# KiCad board panel.kicad_pcb
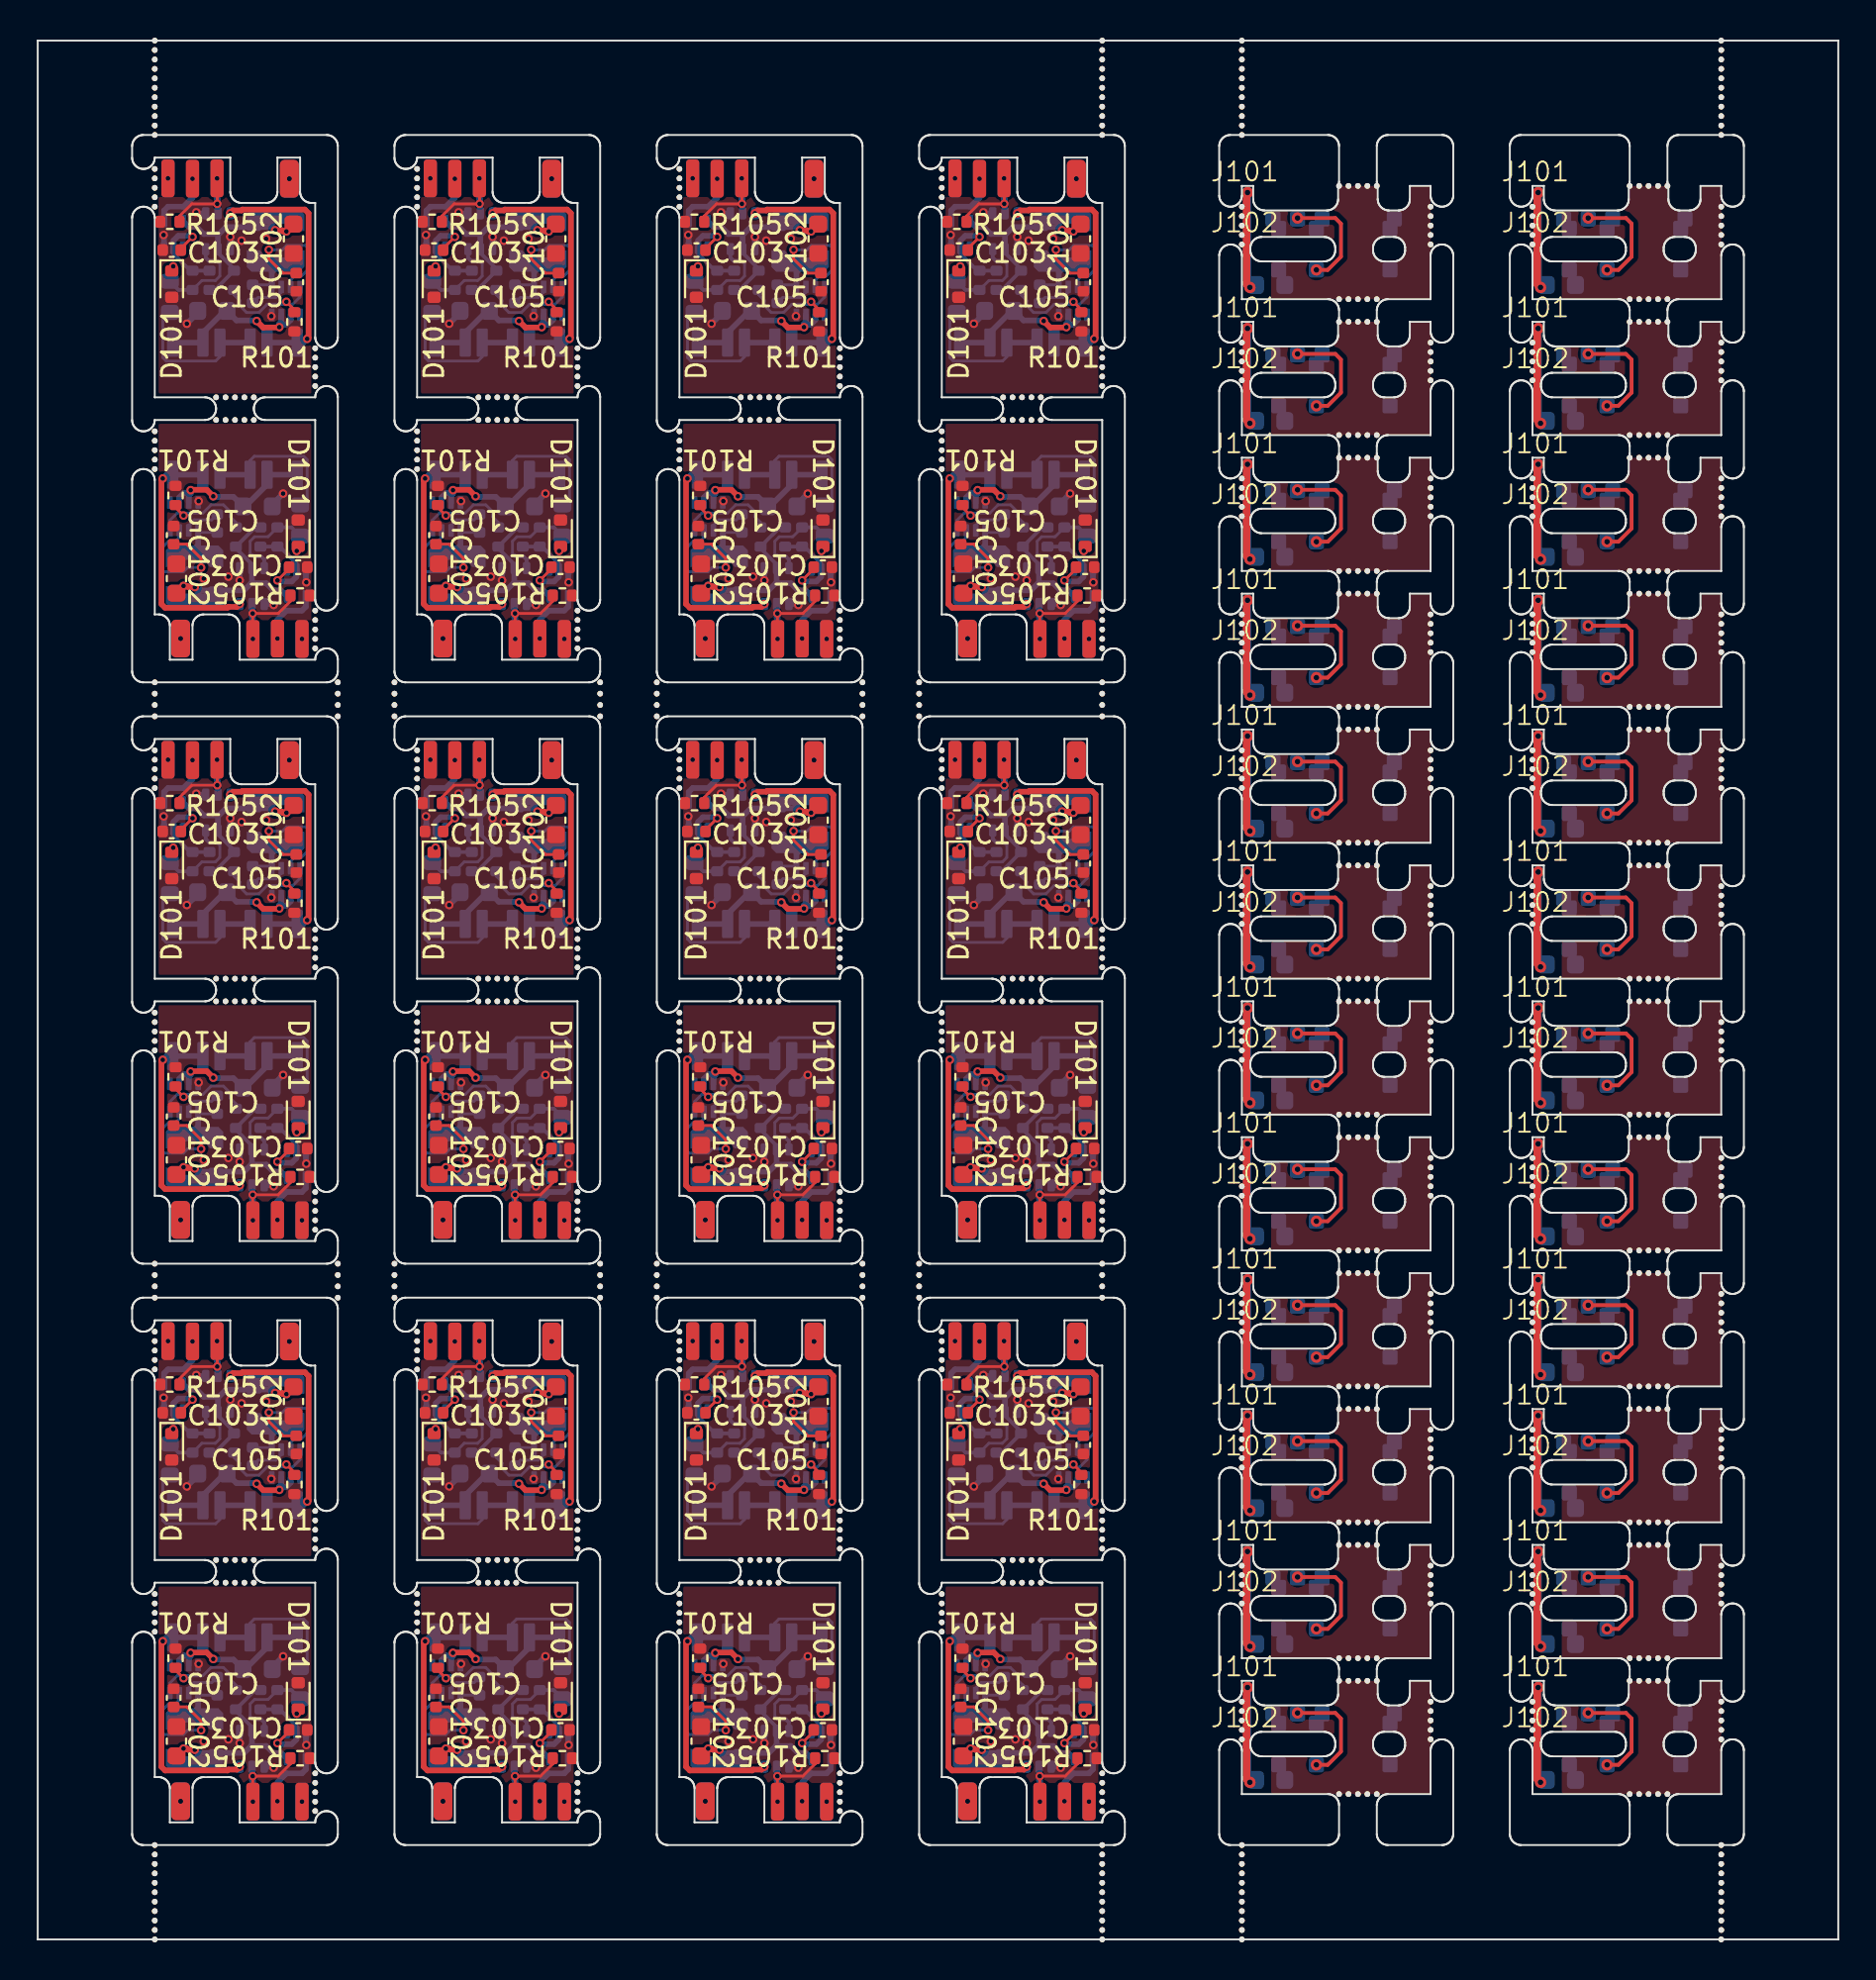
[diagram p0: board, top side]
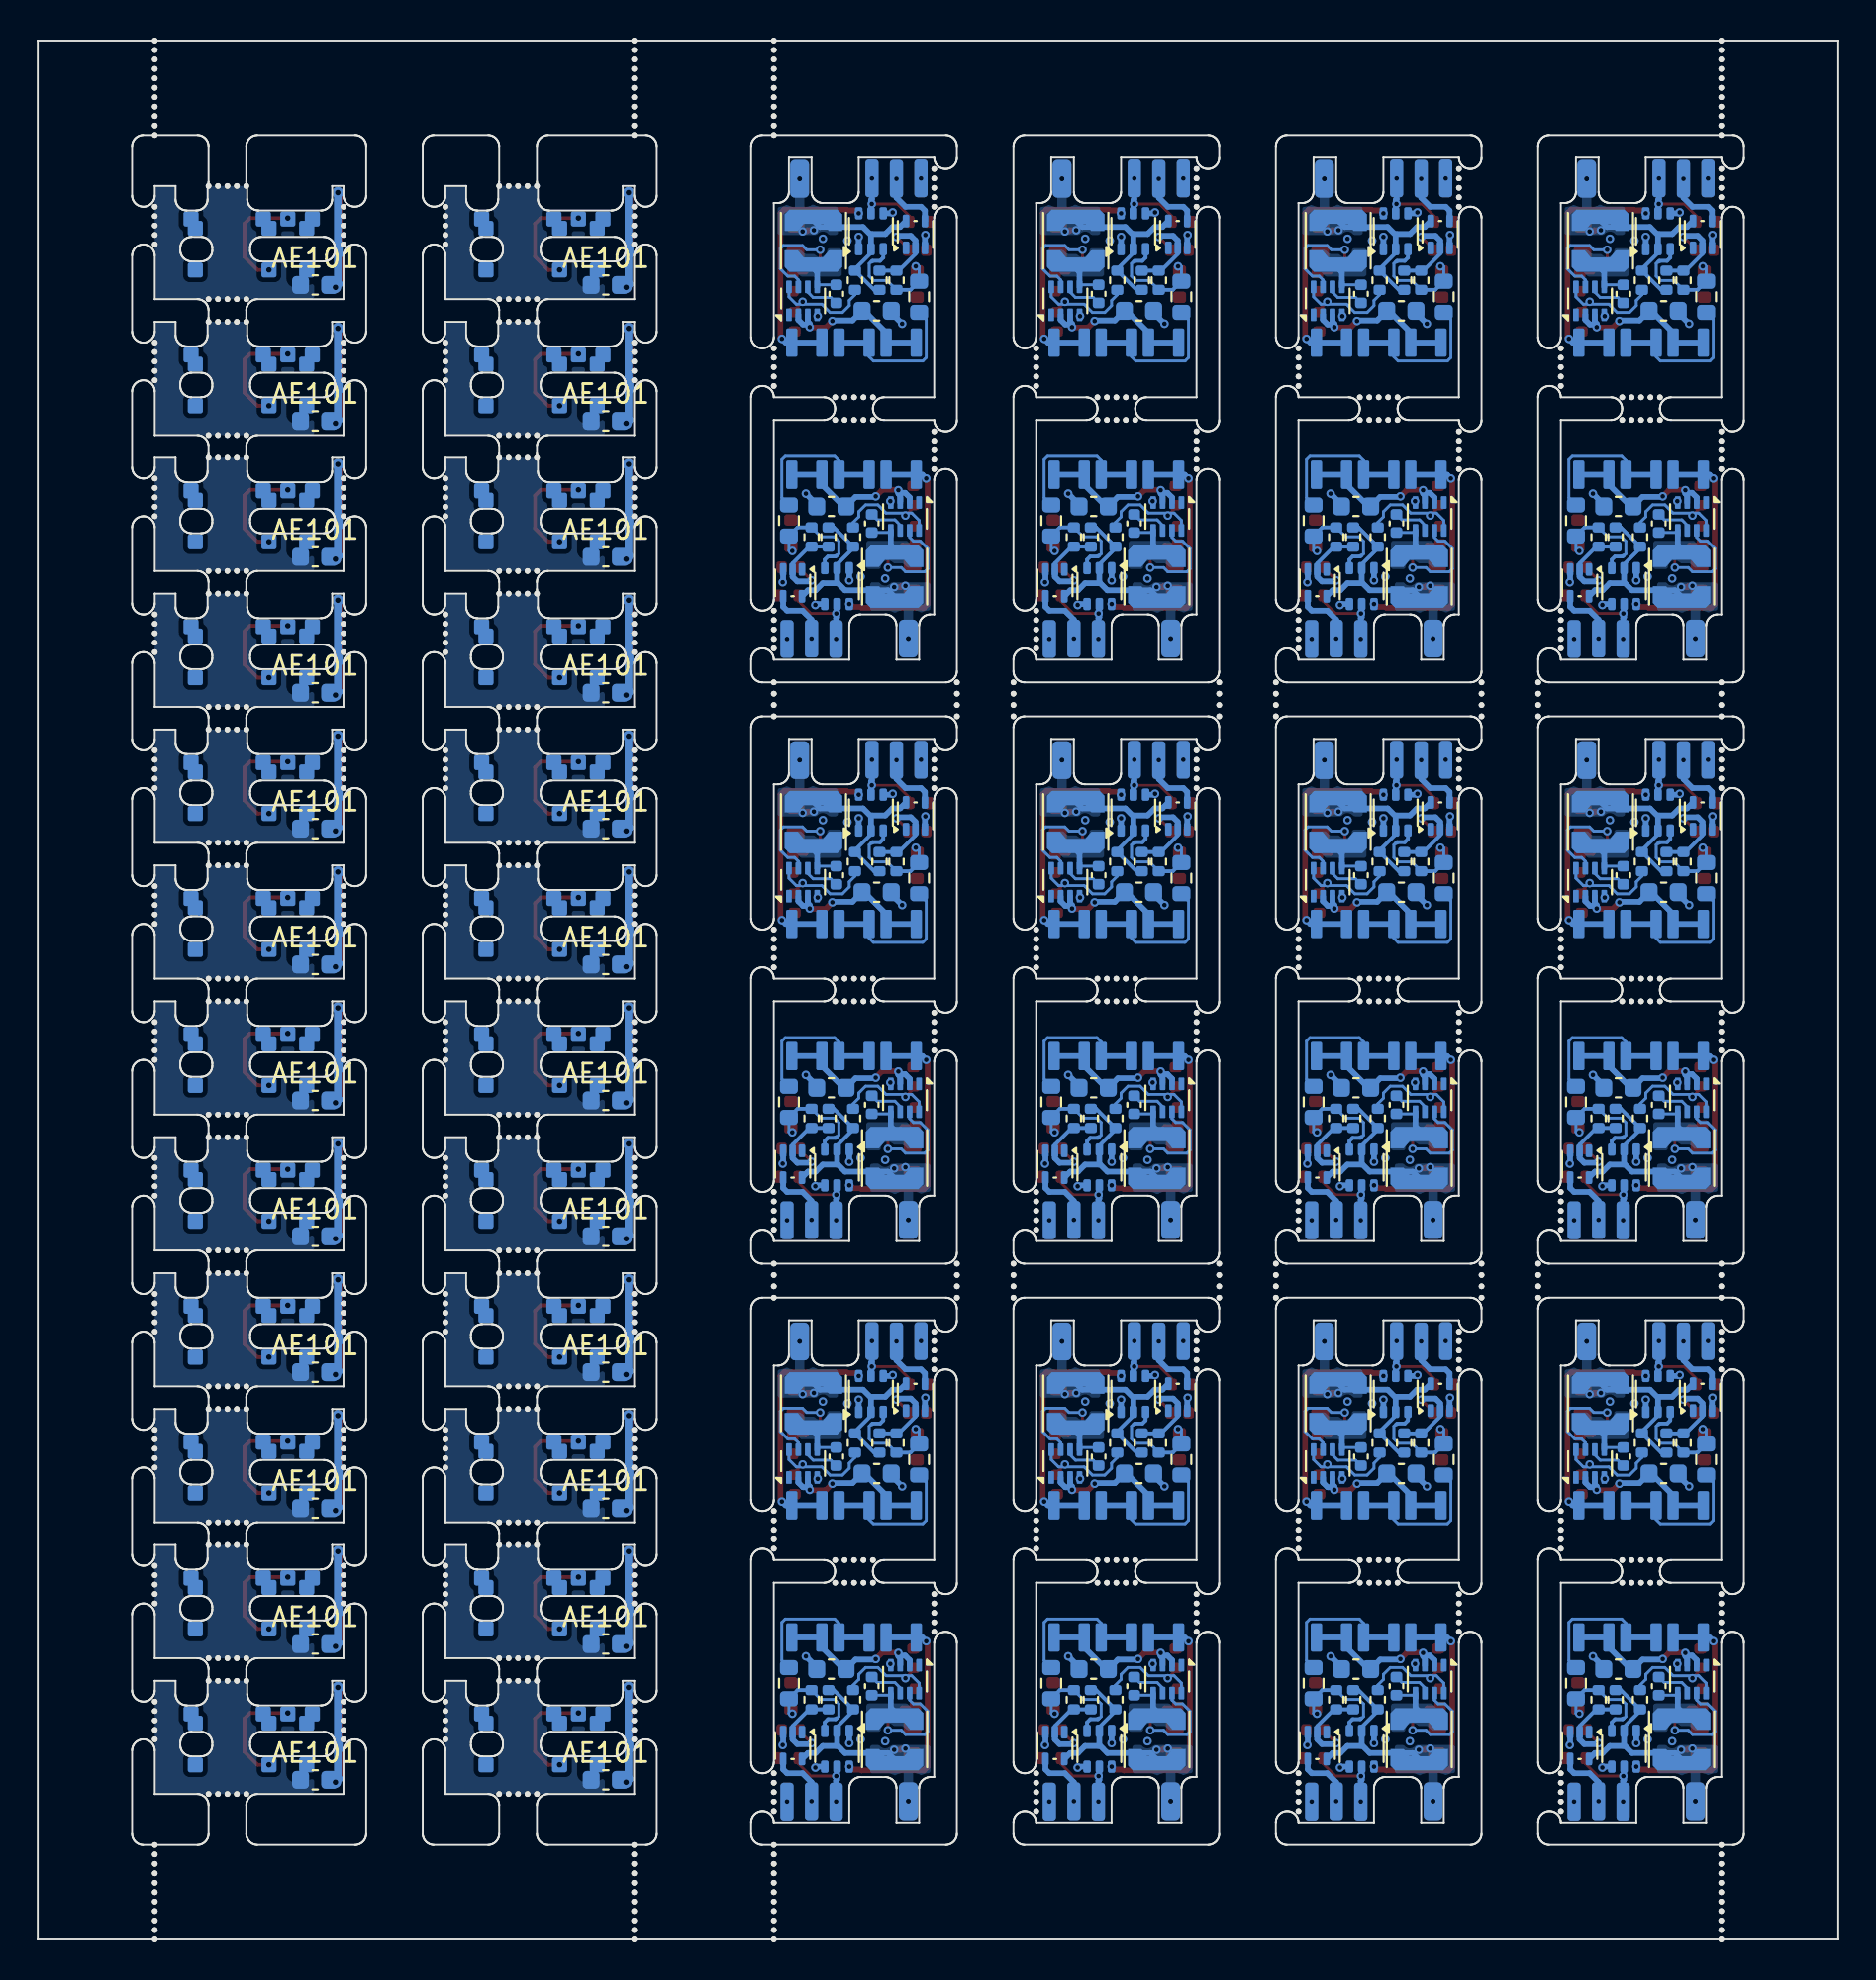
[diagram p1: board, bottom side, seen from below]

Outline 95.4 x 100.6 mm; copper layers: Top, Bottom. Coordinates in mm from the lower left corner of the outline.

## Placement (name value [footprint] x y rotation side)
AE101  Antenna_Shield  [C_0603_1608Metric]  80.7 51.65 180 bottom
AE101#2  Antenna_Shield  [C_0603_1608Metric]  80.7 30.05 180 bottom
AE101#3  Antenna_Shield  [C_0603_1608Metric]  80.7 73.25 180 bottom
AE101#4  Antenna_Shield  [C_0603_1608Metric]  80.7 87.65 180 bottom
AE101#5  Antenna_Shield  [C_0603_1608Metric]  80.7 66.05 180 bottom
AE101#6  Antenna_Shield  [C_0603_1608Metric]  80.7 44.45 180 bottom
AE101#7  Antenna_Shield  [C_0603_1608Metric]  80.7 37.25 180 bottom
AE101#8  Antenna_Shield  [C_0603_1608Metric]  65.3 37.25 180 bottom
AE101#9  Antenna_Shield  [C_0603_1608Metric]  65.3 87.65 180 bottom
AE101#10  Antenna_Shield  [C_0603_1608Metric]  80.7 58.85 180 bottom
AE101#11  Antenna_Shield  [C_0603_1608Metric]  80.7 80.45 180 bottom
AE101#12  Antenna_Shield  [C_0603_1608Metric]  65.3 51.65 180 bottom
AE101#13  Antenna_Shield  [C_0603_1608Metric]  80.7 8.45 180 bottom
AE101#14  Antenna_Shield  [C_0603_1608Metric]  65.3 15.65 180 bottom
AE101#15  Antenna_Shield  [C_0603_1608Metric]  65.3 30.05 180 bottom
AE101#16  Antenna_Shield  [C_0603_1608Metric]  80.7 22.85 180 bottom
AE101#17  Antenna_Shield  [C_0603_1608Metric]  80.7 15.65 180 bottom
AE101#18  Antenna_Shield  [C_0603_1608Metric]  65.3 58.85 180 bottom
AE101#19  Antenna_Shield  [C_0603_1608Metric]  65.3 73.25 180 bottom
AE101#20  Antenna_Shield  [C_0603_1608Metric]  65.3 22.85 180 bottom
AE101#21  Antenna_Shield  [C_0603_1608Metric]  65.3 44.45 180 bottom
AE101#22  Antenna_Shield  [C_0603_1608Metric]  65.3 80.45 180 bottom
AE101#23  Antenna_Shield  [C_0603_1608Metric]  65.3 8.45 180 bottom
AE101#24  Antenna_Shield  [C_0603_1608Metric]  65.3 66.05 180 bottom
C101  1u  [C_0603_1608Metric]  50.95 86.28 180 bottom
C101#2  1u  [C_0603_1608Metric]  9.25 24.68 180 bottom
C101#3  1u  [C_0603_1608Metric]  9.25 55.48 180 bottom
C101#4  1u  [C_0603_1608Metric]  37.05 24.68 180 bottom
C101#5  1u  [C_0603_1608Metric]  9.25 86.28 180 bottom
C101#6  1u  [C_0603_1608Metric]  53.35 45.12 0 bottom
C101#7  1u  [C_0603_1608Metric]  39.45 75.92 0 bottom
C101#8  1u  [C_0603_1608Metric]  37.05 86.28 180 bottom
C101#9  1u  [C_0603_1608Metric]  11.65 14.32 0 bottom
C101#10  1u  [C_0603_1608Metric]  11.65 75.92 0 bottom
C101#11  1u  [C_0603_1608Metric]  37.05 55.48 180 bottom
C101#12  1u  [C_0603_1608Metric]  25.55 75.92 0 bottom
C101#13  1u  [C_0603_1608Metric]  53.35 75.92 0 bottom
C101#14  1u  [C_0603_1608Metric]  23.15 86.28 180 bottom
C101#15  1u  [C_0603_1608Metric]  39.45 45.12 0 bottom
C101#16  1u  [C_0603_1608Metric]  23.15 55.48 180 bottom
C101#17  1u  [C_0603_1608Metric]  25.55 14.32 0 bottom
C101#18  1u  [C_0603_1608Metric]  25.55 45.12 0 bottom
C101#19  1u  [C_0603_1608Metric]  23.15 24.68 180 bottom
C101#20  1u  [C_0603_1608Metric]  50.95 24.68 180 bottom
C101#21  1u  [C_0603_1608Metric]  39.45 14.32 0 bottom
C101#22  1u  [C_0603_1608Metric]  53.35 14.32 0 bottom
C101#23  1u  [C_0603_1608Metric]  11.65 45.12 0 bottom
C101#24  1u  [C_0603_1608Metric]  50.95 55.48 180 bottom
C102  10u  [C_0603_1608Metric]  35.15 10.5 90 top
C102#2  10u  [C_0603_1608Metric]  55.25 90.1 270 top
C102#3  10u  [C_0603_1608Metric]  49.05 10.5 90 top
C102#4  10u  [C_0603_1608Metric]  41.35 28.5 270 top
C102#5  10u  [C_0603_1608Metric]  41.35 59.3 270 top
C102#6  10u  [C_0603_1608Metric]  7.35 72.1 90 top
C102#7  10u  [C_0603_1608Metric]  35.15 72.1 90 top
C102#8  10u  [C_0603_1608Metric]  55.25 59.3 270 top
C102#9  10u  [C_0603_1608Metric]  21.25 41.3 90 top
C102#10  10u  [C_0603_1608Metric]  21.25 72.1 90 top
C102#11  10u  [C_0603_1608Metric]  41.35 90.1 270 top
C102#12  10u  [C_0603_1608Metric]  7.35 10.5 90 top
C102#13  10u  [C_0603_1608Metric]  21.25 10.5 90 top
C102#14  10u  [C_0603_1608Metric]  49.05 72.1 90 top
C102#15  10u  [C_0603_1608Metric]  7.35 41.3 90 top
C102#16  10u  [C_0603_1608Metric]  13.55 59.3 270 top
C102#17  10u  [C_0603_1608Metric]  35.15 41.3 90 top
C102#18  10u  [C_0603_1608Metric]  27.45 59.3 270 top
C102#19  10u  [C_0603_1608Metric]  13.55 28.5 270 top
C102#20  10u  [C_0603_1608Metric]  13.55 90.1 270 top
C102#21  10u  [C_0603_1608Metric]  27.45 28.5 270 top
C102#22  10u  [C_0603_1608Metric]  55.25 28.5 270 top
C102#23  10u  [C_0603_1608Metric]  49.05 41.3 90 top
C102#24  10u  [C_0603_1608Metric]  27.45 90.1 270 top
C103  C_15p_0402_NP0_5%_50V  [C_0402_1005Metric]  13.8 11.1 0 top
C103#2  C_15p_0402_NP0_5%_50V  [C_0402_1005Metric]  48.8 58.7 180 top
C103#3  C_15p_0402_NP0_5%_50V  [C_0402_1005Metric]  41.6 11.1 0 top
C103#4  C_15p_0402_NP0_5%_50V  [C_0402_1005Metric]  41.6 41.9 0 top
C103#5  C_15p_0402_NP0_5%_50V  [C_0402_1005Metric]  13.8 41.9 0 top
C103#6  C_15p_0402_NP0_5%_50V  [C_0402_1005Metric]  27.7 41.9 0 top
C103#7  C_15p_0402_NP0_5%_50V  [C_0402_1005Metric]  55.5 72.7 0 top
C103#8  C_15p_0402_NP0_5%_50V  [C_0402_1005Metric]  21 89.5 180 top
C103#9  C_15p_0402_NP0_5%_50V  [C_0402_1005Metric]  21 27.9 180 top
C103#10  C_15p_0402_NP0_5%_50V  [C_0402_1005Metric]  7.1 58.7 180 top
C103#11  C_15p_0402_NP0_5%_50V  [C_0402_1005Metric]  55.5 11.1 0 top
C103#12  C_15p_0402_NP0_5%_50V  [C_0402_1005Metric]  48.8 27.9 180 top
C103#13  C_15p_0402_NP0_5%_50V  [C_0402_1005Metric]  41.6 72.7 0 top
C103#14  C_15p_0402_NP0_5%_50V  [C_0402_1005Metric]  7.1 89.5 180 top
C103#15  C_15p_0402_NP0_5%_50V  [C_0402_1005Metric]  34.9 27.9 180 top
C103#16  C_15p_0402_NP0_5%_50V  [C_0402_1005Metric]  21 58.7 180 top
C103#17  C_15p_0402_NP0_5%_50V  [C_0402_1005Metric]  34.9 58.7 180 top
C103#18  C_15p_0402_NP0_5%_50V  [C_0402_1005Metric]  27.7 11.1 0 top
C103#19  C_15p_0402_NP0_5%_50V  [C_0402_1005Metric]  27.7 72.7 0 top
C103#20  C_15p_0402_NP0_5%_50V  [C_0402_1005Metric]  48.8 89.5 180 top
C103#21  C_15p_0402_NP0_5%_50V  [C_0402_1005Metric]  7.1 27.9 180 top
C103#22  C_15p_0402_NP0_5%_50V  [C_0402_1005Metric]  34.9 89.5 180 top
C103#23  C_15p_0402_NP0_5%_50V  [C_0402_1005Metric]  55.5 41.9 0 top
C103#24  C_15p_0402_NP0_5%_50V  [C_0402_1005Metric]  13.8 72.7 0 top
C104  C_100n_0402_X7R_10%_50V  [C_0402_1005Metric]  23.41 75.02 270 bottom
C104#2  C_100n_0402_X7R_10%_50V  [C_0402_1005Metric]  51.21 44.22 270 bottom
C104#3  C_100n_0402_X7R_10%_50V  [C_0402_1005Metric]  11.39 87.18 90 bottom
C104#4  C_100n_0402_X7R_10%_50V  [C_0402_1005Metric]  37.31 13.42 270 bottom
C104#5  C_100n_0402_X7R_10%_50V  [C_0402_1005Metric]  9.51 75.02 270 bottom
C104#6  C_100n_0402_X7R_10%_50V  [C_0402_1005Metric]  53.09 56.38 90 bottom
C104#7  C_100n_0402_X7R_10%_50V  [C_0402_1005Metric]  11.39 56.38 90 bottom
C104#8  C_100n_0402_X7R_10%_50V  [C_0402_1005Metric]  23.41 44.22 270 bottom
C104#9  C_100n_0402_X7R_10%_50V  [C_0402_1005Metric]  51.21 75.02 270 bottom
C104#10  C_100n_0402_X7R_10%_50V  [C_0402_1005Metric]  53.09 87.18 90 bottom
C104#11  C_100n_0402_X7R_10%_50V  [C_0402_1005Metric]  39.19 56.38 90 bottom
C104#12  C_100n_0402_X7R_10%_50V  [C_0402_1005Metric]  51.21 13.42 270 bottom
C104#13  C_100n_0402_X7R_10%_50V  [C_0402_1005Metric]  23.41 13.42 270 bottom
C104#14  C_100n_0402_X7R_10%_50V  [C_0402_1005Metric]  37.31 44.22 270 bottom
C104#15  C_100n_0402_X7R_10%_50V  [C_0402_1005Metric]  9.51 44.22 270 bottom
C104#16  C_100n_0402_X7R_10%_50V  [C_0402_1005Metric]  37.31 75.02 270 bottom
C104#17  C_100n_0402_X7R_10%_50V  [C_0402_1005Metric]  25.29 87.18 90 bottom
C104#18  C_100n_0402_X7R_10%_50V  [C_0402_1005Metric]  11.39 25.58 90 bottom
C104#19  C_100n_0402_X7R_10%_50V  [C_0402_1005Metric]  25.29 25.58 90 bottom
C104#20  C_100n_0402_X7R_10%_50V  [C_0402_1005Metric]  53.09 25.58 90 bottom
C104#21  C_100n_0402_X7R_10%_50V  [C_0402_1005Metric]  25.29 56.38 90 bottom
C104#22  C_100n_0402_X7R_10%_50V  [C_0402_1005Metric]  39.19 87.18 90 bottom
C104#23  C_100n_0402_X7R_10%_50V  [C_0402_1005Metric]  39.19 25.58 90 bottom
C104#24  C_100n_0402_X7R_10%_50V  [C_0402_1005Metric]  9.51 13.42 270 bottom
C105  C_100n_0402_X7R_10%_50V  [C_0402_1005Metric]  41.5 87.8 270 top
C105#2  C_100n_0402_X7R_10%_50V  [C_0402_1005Metric]  55.4 26.2 270 top
C105#3  C_100n_0402_X7R_10%_50V  [C_0402_1005Metric]  21.1 43.6 90 top
C105#4  C_100n_0402_X7R_10%_50V  [C_0402_1005Metric]  35 12.8 90 top
C105#5  C_100n_0402_X7R_10%_50V  [C_0402_1005Metric]  27.6 57 270 top
C105#6  C_100n_0402_X7R_10%_50V  [C_0402_1005Metric]  7.2 12.8 90 top
C105#7  C_100n_0402_X7R_10%_50V  [C_0402_1005Metric]  55.4 87.8 270 top
C105#8  C_100n_0402_X7R_10%_50V  [C_0402_1005Metric]  27.6 87.8 270 top
C105#9  C_100n_0402_X7R_10%_50V  [C_0402_1005Metric]  21.1 74.4 90 top
C105#10  C_100n_0402_X7R_10%_50V  [C_0402_1005Metric]  41.5 57 270 top
C105#11  C_100n_0402_X7R_10%_50V  [C_0402_1005Metric]  13.7 87.8 270 top
C105#12  C_100n_0402_X7R_10%_50V  [C_0402_1005Metric]  13.7 57 270 top
C105#13  C_100n_0402_X7R_10%_50V  [C_0402_1005Metric]  48.9 74.4 90 top
C105#14  C_100n_0402_X7R_10%_50V  [C_0402_1005Metric]  13.7 26.2 270 top
C105#15  C_100n_0402_X7R_10%_50V  [C_0402_1005Metric]  48.9 12.8 90 top
C105#16  C_100n_0402_X7R_10%_50V  [C_0402_1005Metric]  7.2 74.4 90 top
C105#17  C_100n_0402_X7R_10%_50V  [C_0402_1005Metric]  7.2 43.6 90 top
C105#18  C_100n_0402_X7R_10%_50V  [C_0402_1005Metric]  55.4 57 270 top
C105#19  C_100n_0402_X7R_10%_50V  [C_0402_1005Metric]  35 74.4 90 top
C105#20  C_100n_0402_X7R_10%_50V  [C_0402_1005Metric]  27.6 26.2 270 top
C105#21  C_100n_0402_X7R_10%_50V  [C_0402_1005Metric]  21.1 12.8 90 top
C105#22  C_100n_0402_X7R_10%_50V  [C_0402_1005Metric]  48.9 43.6 90 top
C105#23  C_100n_0402_X7R_10%_50V  [C_0402_1005Metric]  41.5 26.2 270 top
C105#24  C_100n_0402_X7R_10%_50V  [C_0402_1005Metric]  35 43.6 90 top
D101  ESD5Z5.0T1G  [D_SOD-523]  27.7 43.7 90 top
D101#2  ESD5Z5.0T1G  [D_SOD-523]  34.9 26.1 270 top
D101#3  ESD5Z5.0T1G  [D_SOD-523]  55.5 74.5 90 top
D101#4  ESD5Z5.0T1G  [D_SOD-523]  27.7 12.9 90 top
D101#5  ESD5Z5.0T1G  [D_SOD-523]  13.8 43.7 90 top
D101#6  ESD5Z5.0T1G  [D_SOD-523]  21 87.7 270 top
D101#7  ESD5Z5.0T1G  [D_SOD-523]  55.5 12.9 90 top
D101#8  ESD5Z5.0T1G  [D_SOD-523]  41.6 12.9 90 top
D101#9  ESD5Z5.0T1G  [D_SOD-523]  48.8 87.7 270 top
D101#10  ESD5Z5.0T1G  [D_SOD-523]  55.5 43.7 90 top
D101#11  ESD5Z5.0T1G  [D_SOD-523]  7.1 87.7 270 top
D101#12  ESD5Z5.0T1G  [D_SOD-523]  13.8 12.9 90 top
D101#13  ESD5Z5.0T1G  [D_SOD-523]  41.6 43.7 90 top
D101#14  ESD5Z5.0T1G  [D_SOD-523]  48.8 56.9 270 top
D101#15  ESD5Z5.0T1G  [D_SOD-523]  7.1 56.9 270 top
D101#16  ESD5Z5.0T1G  [D_SOD-523]  34.9 87.7 270 top
D101#17  ESD5Z5.0T1G  [D_SOD-523]  21 26.1 270 top
D101#18  ESD5Z5.0T1G  [D_SOD-523]  41.6 74.5 90 top
D101#19  ESD5Z5.0T1G  [D_SOD-523]  7.1 26.1 270 top
D101#20  ESD5Z5.0T1G  [D_SOD-523]  13.8 74.5 90 top
D101#21  ESD5Z5.0T1G  [D_SOD-523]  21 56.9 270 top
D101#22  ESD5Z5.0T1G  [D_SOD-523]  34.9 56.9 270 top
D101#23  ESD5Z5.0T1G  [D_SOD-523]  48.8 26.1 270 top
D101#24  ESD5Z5.0T1G  [D_SOD-523]  27.7 74.5 90 top
H101  Pad  [TE_2040852-1]  26.85 47.75 270 bottom
H101#2  Pad  [TE_2040852-1]  12.95 47.75 270 bottom
H101#3  Pad  [TE_2040852-1]  49.65 52.85 90 bottom
H101#4  Pad  [TE_2040852-1]  49.65 22.05 90 bottom
H101#5  Pad  [TE_2040852-1]  35.75 22.05 90 bottom
H101#6  Pad  [TE_2040852-1]  35.75 83.65 90 bottom
H101#7  Pad  [TE_2040852-1]  7.95 52.85 90 bottom
H101#8  Pad  [TE_2040852-1]  26.85 78.55 270 bottom
H101#9  Pad  [TE_2040852-1]  12.95 78.55 270 bottom
H101#10  Pad  [TE_2040852-1]  21.85 22.05 90 bottom
H101#11  Pad  [TE_2040852-1]  21.85 83.65 90 bottom
H101#12  Pad  [TE_2040852-1]  40.75 47.75 270 bottom
H101#13  Pad  [TE_2040852-1]  54.65 47.75 270 bottom
H101#14  Pad  [TE_2040852-1]  26.85 16.95 270 bottom
H101#15  Pad  [TE_2040852-1]  21.85 52.85 90 bottom
H101#16  Pad  [TE_2040852-1]  49.65 83.65 90 bottom
H101#17  Pad  [TE_2040852-1]  12.95 16.95 270 bottom
H101#18  Pad  [TE_2040852-1]  40.75 78.55 270 bottom
H101#19  Pad  [TE_2040852-1]  35.75 52.85 90 bottom
H101#20  Pad  [TE_2040852-1]  7.95 22.05 90 bottom
H101#21  Pad  [TE_2040852-1]  7.95 83.65 90 bottom
H101#22  Pad  [TE_2040852-1]  40.75 16.95 270 bottom
H101#23  Pad  [TE_2040852-1]  54.65 78.55 270 bottom
H101#24  Pad  [TE_2040852-1]  54.65 16.95 270 bottom
H102  Pad  [TE_2040852-1]  10.45 52.85 90 bottom
H102#2  Pad  [TE_2040852-1]  52.15 16.95 270 bottom
H102#3  Pad  [TE_2040852-1]  24.35 22.05 90 bottom
H102#4  Pad  [TE_2040852-1]  38.25 52.85 90 bottom
H102#5  Pad  [TE_2040852-1]  52.15 47.75 270 bottom
H102#6  Pad  [TE_2040852-1]  52.15 78.55 270 bottom
H102#7  Pad  [TE_2040852-1]  52.15 22.05 90 bottom
H102#8  Pad  [TE_2040852-1]  38.25 16.95 270 bottom
H102#9  Pad  [TE_2040852-1]  10.45 78.55 270 bottom
H102#10  Pad  [TE_2040852-1]  10.45 22.05 90 bottom
H102#11  Pad  [TE_2040852-1]  38.25 83.65 90 bottom
H102#12  Pad  [TE_2040852-1]  24.35 52.85 90 bottom
H102#13  Pad  [TE_2040852-1]  10.45 83.65 90 bottom
H102#14  Pad  [TE_2040852-1]  52.15 52.85 90 bottom
H102#15  Pad  [TE_2040852-1]  38.25 78.55 270 bottom
H102#16  Pad  [TE_2040852-1]  24.35 78.55 270 bottom
H102#17  Pad  [TE_2040852-1]  10.45 16.95 270 bottom
H102#18  Pad  [TE_2040852-1]  24.35 16.95 270 bottom
H102#19  Pad  [TE_2040852-1]  24.35 47.75 270 bottom
H102#20  Pad  [TE_2040852-1]  10.45 47.75 270 bottom
H102#21  Pad  [TE_2040852-1]  38.25 47.75 270 bottom
H102#22  Pad  [TE_2040852-1]  52.15 83.65 90 bottom
H102#23  Pad  [TE_2040852-1]  24.35 83.65 90 bottom
H102#24  Pad  [TE_2040852-1]  38.25 22.05 90 bottom
H103  Pad  [TE_2040852-1]  49.65 78.55 270 bottom
H103#2  Pad  [TE_2040852-1]  40.75 52.85 90 bottom
H103#3  Pad  [TE_2040852-1]  40.75 22.05 90 bottom
H103#4  Pad  [TE_2040852-1]  49.65 47.75 270 bottom
H103#5  Pad  [TE_2040852-1]  26.85 22.05 90 bottom
H103#6  Pad  [TE_2040852-1]  12.95 83.65 90 bottom
H103#7  Pad  [TE_2040852-1]  7.95 16.95 270 bottom
H103#8  Pad  [TE_2040852-1]  21.85 47.75 270 bottom
H103#9  Pad  [TE_2040852-1]  7.95 78.55 270 bottom
H103#10  Pad  [TE_2040852-1]  54.65 52.85 90 bottom
H103#11  Pad  [TE_2040852-1]  40.75 83.65 90 bottom
H103#12  Pad  [TE_2040852-1]  49.65 16.95 270 bottom
H103#13  Pad  [TE_2040852-1]  26.85 52.85 90 bottom
H103#14  Pad  [TE_2040852-1]  12.95 22.05 90 bottom
H103#15  Pad  [TE_2040852-1]  21.85 16.95 270 bottom
H103#16  Pad  [TE_2040852-1]  54.65 83.65 90 bottom
H103#17  Pad  [TE_2040852-1]  35.75 16.95 270 bottom
H103#18  Pad  [TE_2040852-1]  21.85 78.55 270 bottom
H103#19  Pad  [TE_2040852-1]  35.75 78.55 270 bottom
H103#20  Pad  [TE_2040852-1]  26.85 83.65 90 bottom
H103#21  Pad  [TE_2040852-1]  35.75 47.75 270 bottom
H103#22  Pad  [TE_2040852-1]  54.65 22.05 90 bottom
H103#23  Pad  [TE_2040852-1]  12.95 52.85 90 bottom
H103#24  Pad  [TE_2040852-1]  7.95 47.75 270 bottom
H104  Pad  [SolderWirePad_1x01_SMD_1.5x3mm]  25.3 38.1 180 bottom
H104#2  Pad  [SolderWirePad_1x01_SMD_1.5x3mm]  9.5 62.5 0 bottom
H104#3  Pad  [SolderWirePad_1x01_SMD_1.5x3mm]  23.4 93.3 0 bottom
H104#4  Pad  [SolderWirePad_1x01_SMD_1.5x3mm]  39.2 68.9 180 bottom
H104#5  Pad  [SolderWirePad_1x01_SMD_1.5x3mm]  51.2 93.3 0 bottom
H104#6  Pad  [SolderWirePad_1x01_SMD_1.5x3mm]  53.1 68.9 180 bottom
H104#7  Pad  [SolderWirePad_1x01_SMD_1.5x3mm]  53.1 7.3 180 bottom
H104#8  Pad  [SolderWirePad_1x01_SMD_1.5x3mm]  25.3 68.9 180 bottom
H104#9  Pad  [SolderWirePad_1x01_SMD_1.5x3mm]  37.3 31.7 0 bottom
H104#10  Pad  [SolderWirePad_1x01_SMD_1.5x3mm]  11.4 7.3 180 bottom
H104#11  Pad  [SolderWirePad_1x01_SMD_1.5x3mm]  37.3 62.5 0 bottom
H104#12  Pad  [SolderWirePad_1x01_SMD_1.5x3mm]  11.4 38.1 180 bottom
H104#13  Pad  [SolderWirePad_1x01_SMD_1.5x3mm]  11.4 68.9 180 bottom
H104#14  Pad  [SolderWirePad_1x01_SMD_1.5x3mm]  51.2 31.7 0 bottom
H104#15  Pad  [SolderWirePad_1x01_SMD_1.5x3mm]  23.4 62.5 0 bottom
H104#16  Pad  [SolderWirePad_1x01_SMD_1.5x3mm]  25.3 7.3 180 bottom
H104#17  Pad  [SolderWirePad_1x01_SMD_1.5x3mm]  53.1 38.1 180 bottom
H104#18  Pad  [SolderWirePad_1x01_SMD_1.5x3mm]  9.5 93.3 0 bottom
H104#19  Pad  [SolderWirePad_1x01_SMD_1.5x3mm]  23.4 31.7 0 bottom
H104#20  Pad  [SolderWirePad_1x01_SMD_1.5x3mm]  51.2 62.5 0 bottom
H104#21  Pad  [SolderWirePad_1x01_SMD_1.5x3mm]  9.5 31.7 0 bottom
H104#22  Pad  [SolderWirePad_1x01_SMD_1.5x3mm]  39.2 38.1 180 bottom
H104#23  Pad  [SolderWirePad_1x01_SMD_1.5x3mm]  39.2 7.3 180 bottom
H104#24  Pad  [SolderWirePad_1x01_SMD_1.5x3mm]  37.3 93.3 0 bottom
H105  Pad  [SolderWirePad_1x01_SMD_1.5x3mm]  54.4 38.12 0 bottom
H105#2  Pad  [SolderWirePad_1x01_SMD_1.5x3mm]  12.7 38.12 0 bottom
H105#3  Pad  [SolderWirePad_1x01_SMD_1.5x3mm]  40.5 7.32 0 bottom
H105#4  Pad  [SolderWirePad_1x01_SMD_1.5x3mm]  26.6 7.32 0 bottom
H105#5  Pad  [SolderWirePad_1x01_SMD_1.5x3mm]  22.1 31.68 180 bottom
H105#6  Pad  [SolderWirePad_1x01_SMD_1.5x3mm]  8.2 62.48 180 bottom
H105#7  Pad  [SolderWirePad_1x01_SMD_1.5x3mm]  54.4 68.92 0 bottom
H105#8  Pad  [SolderWirePad_1x01_SMD_1.5x3mm]  49.9 31.68 180 bottom
H105#9  Pad  [SolderWirePad_1x01_SMD_1.5x3mm]  26.6 38.12 0 bottom
H105#10  Pad  [SolderWirePad_1x01_SMD_1.5x3mm]  22.1 93.28 180 bottom
H105#11  Pad  [SolderWirePad_1x01_SMD_1.5x3mm]  40.5 68.92 0 bottom
H105#12  Pad  [SolderWirePad_1x01_SMD_1.5x3mm]  26.6 68.92 0 bottom
H105#13  Pad  [SolderWirePad_1x01_SMD_1.5x3mm]  36 93.28 180 bottom
H105#14  Pad  [SolderWirePad_1x01_SMD_1.5x3mm]  49.9 93.28 180 bottom
H105#15  Pad  [SolderWirePad_1x01_SMD_1.5x3mm]  22.1 62.48 180 bottom
H105#16  Pad  [SolderWirePad_1x01_SMD_1.5x3mm]  12.7 68.92 0 bottom
H105#17  Pad  [SolderWirePad_1x01_SMD_1.5x3mm]  8.2 31.68 180 bottom
H105#18  Pad  [SolderWirePad_1x01_SMD_1.5x3mm]  36 31.68 180 bottom
H105#19  Pad  [SolderWirePad_1x01_SMD_1.5x3mm]  49.9 62.48 180 bottom
H105#20  Pad  [SolderWirePad_1x01_SMD_1.5x3mm]  54.4 7.32 0 bottom
H105#21  Pad  [SolderWirePad_1x01_SMD_1.5x3mm]  40.5 38.12 0 bottom
H105#22  Pad  [SolderWirePad_1x01_SMD_1.5x3mm]  36 62.48 180 bottom
H105#23  Pad  [SolderWirePad_1x01_SMD_1.5x3mm]  12.7 7.32 0 bottom
H105#24  Pad  [SolderWirePad_1x01_SMD_1.5x3mm]  8.2 93.28 180 bottom
H106  Pad  [SolderWirePad_1x01_SMD_1.5x3mm#2]  49.27 7.32 180 bottom
H106#2  Pad  [SolderWirePad_1x01_SMD_1.5x3mm#2]  35.37 68.92 180 bottom
H106#3  Pad  [SolderWirePad_1x01_SMD_1.5x3mm#2]  27.23 93.28 0 bottom
H106#4  Pad  [SolderWirePad_1x01_SMD_1.5x3mm#2]  7.57 7.32 180 bottom
H106#5  Pad  [SolderWirePad_1x01_SMD_1.5x3mm#2]  41.13 62.48 0 bottom
H106#6  Pad  [SolderWirePad_1x01_SMD_1.5x3mm#2]  7.57 68.92 180 bottom
H106#7  Pad  [SolderWirePad_1x01_SMD_1.5x3mm#2]  27.23 62.48 0 bottom